# Altium PCB MB1605.PcbDoc (part 6 of 11)
Units mm, origin at the board's own origin, x right, y up, seen from the top; angles counter-clockwise.
Board outline 100 x 79.6 mm, 6 copper layers (Top Layer, Signal Layer 1, Signal Layer 2, Signal Layer 3, Signal Layer 4, Bottom Layer), stack 1.549 mm thick; 644 components, 529 nets, 2853 pads, 1462 vias.
Unrouted connection lines stored in the file: 2.
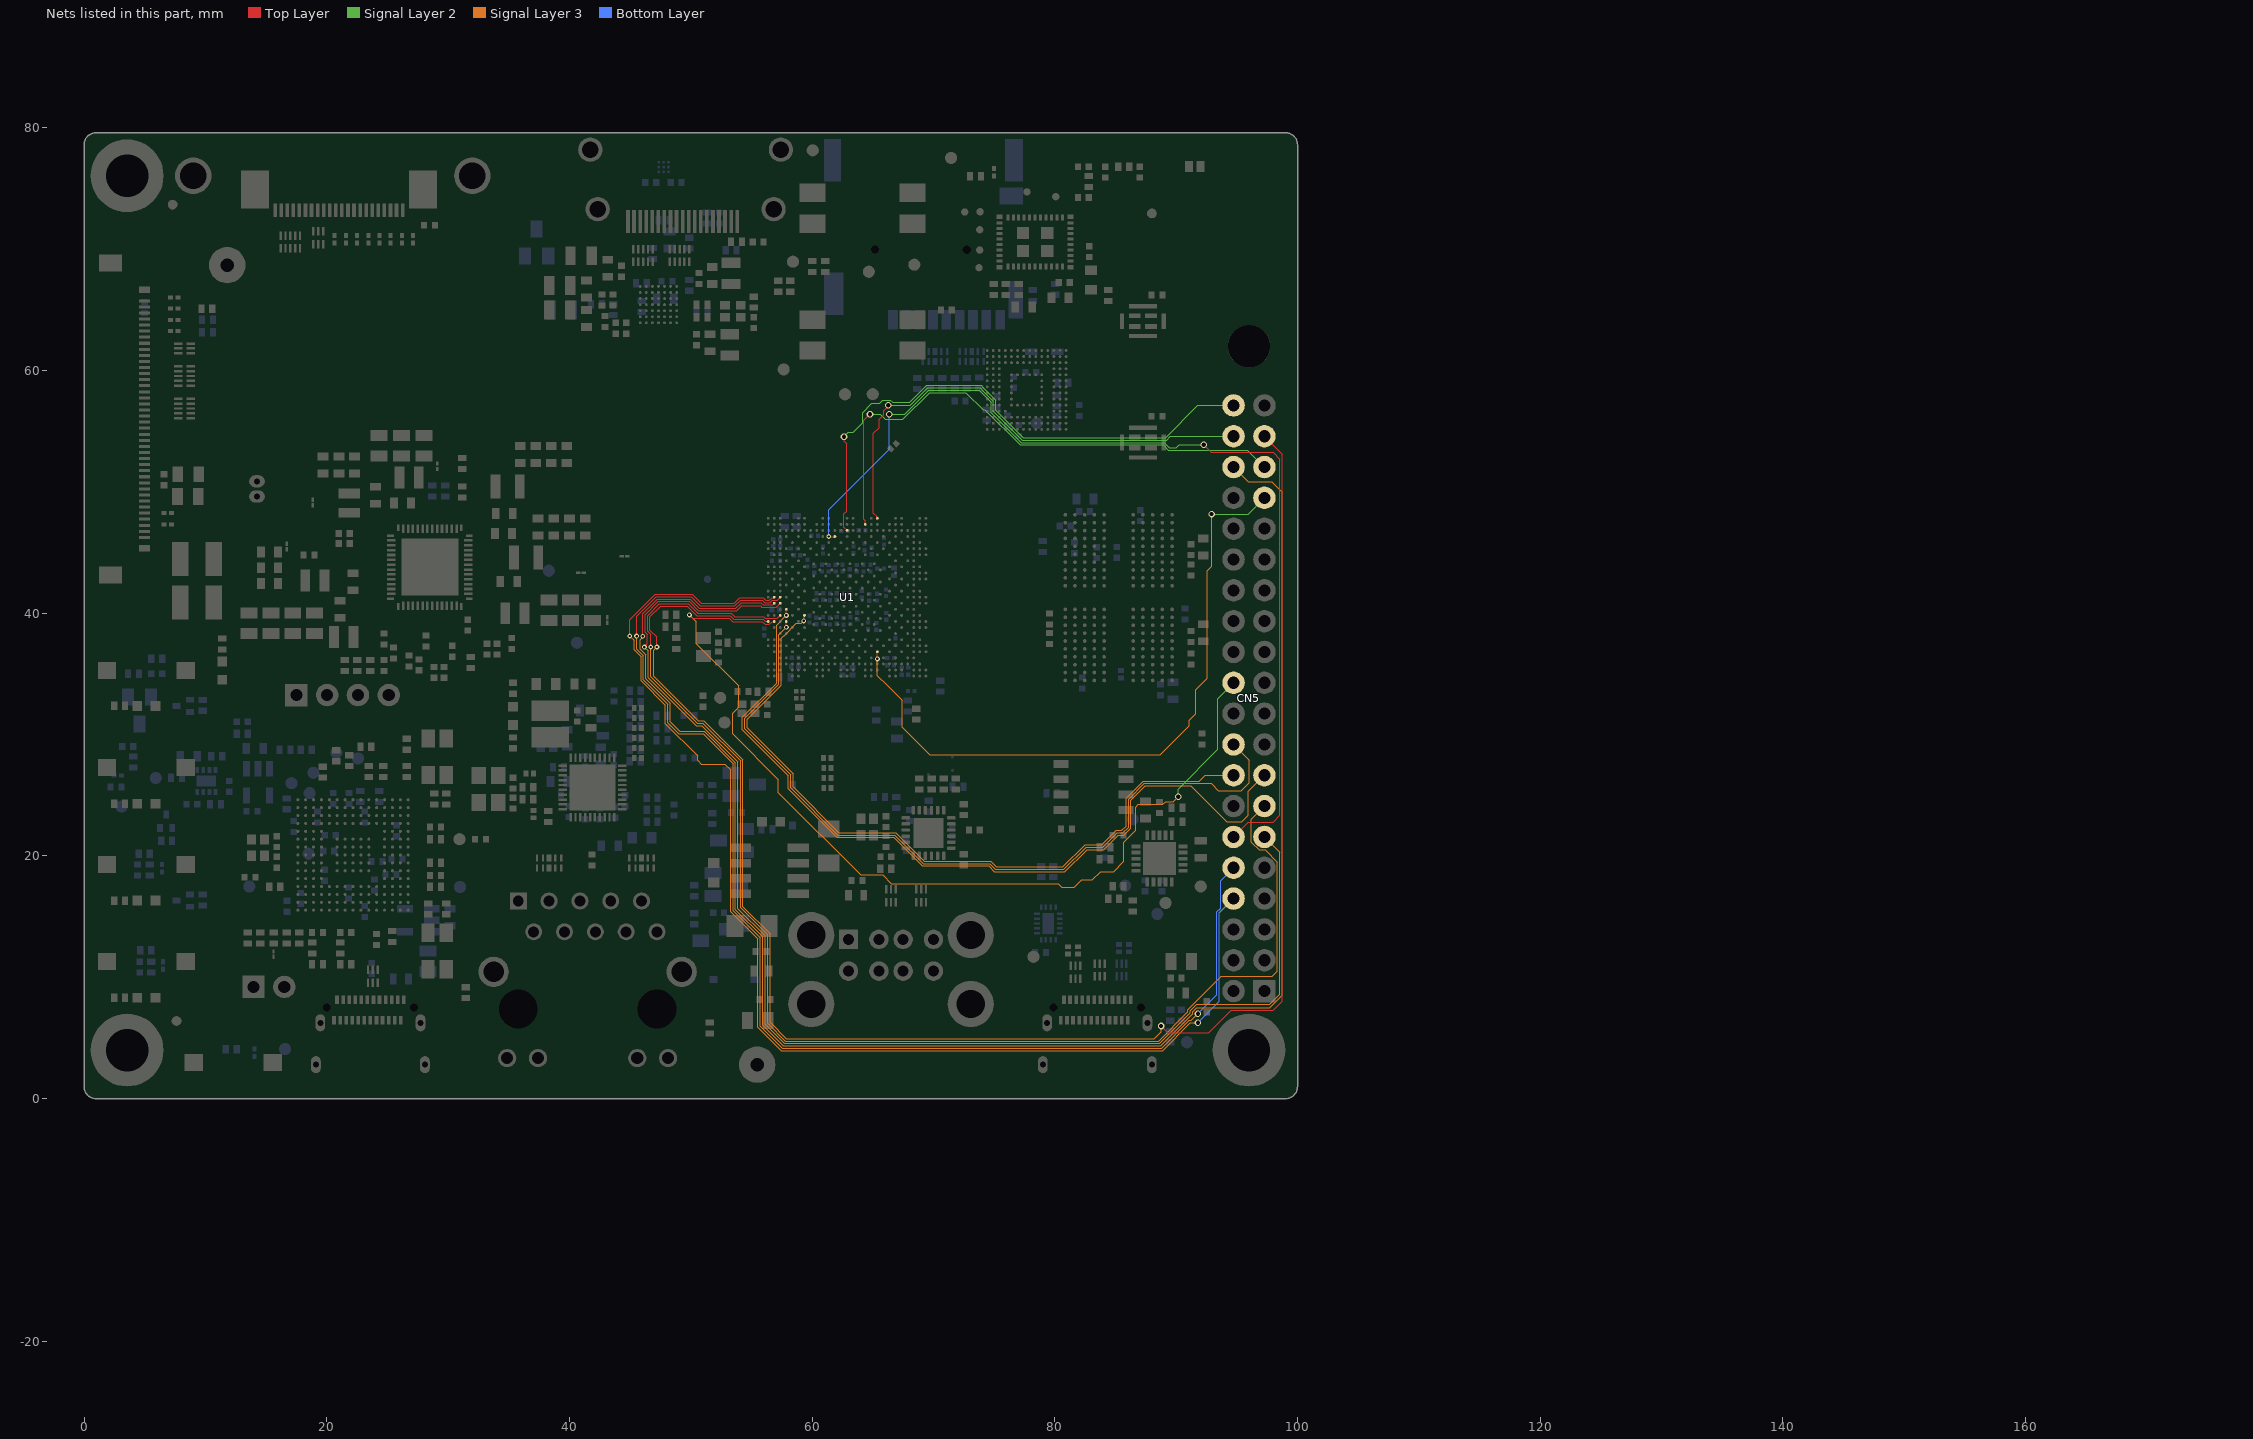
[diagram p10: the nets of this part, all layers, seen from the top]

## Via types
v1: diameter 0.55, hole 0.35, Top Layer to Bottom Layer, 823 vias
v2: diameter 0.4, hole 0.2, Top Layer to Bottom Layer, 235 vias
v3: diameter 0.4, hole 0.2, Top Layer to Bottom Layer, tented both sides, 216 vias
v4: diameter 0.5, hole 0.2, Top Layer to Bottom Layer, 159 vias
v5: diameter 0.25/0.3 (per signal layer), hole 0.1, Top Layer to Signal Layer 1, tented both sides, 29 vias

## Nets (pads, with @x,y where several pads share a name; then routed paths per layer and width w, separated by ;. In a path a pad name is that pad's centre, name@x,y a point inside that pad or via, vN(x,y) a via of type N, cw(c..) or ccw(c..) an arc to the next point about the centre after c; other vN are vias at no path point) (continued)
EXP_GPIO13: CN5.33 U1.AC19 | length 55.8
  Top Layer w0.1: U1.AC19@65.375,36.825 65.378,36.822 65.378,36.243 v3(65.381,36.24)
  Signal Layer 2 w0.1: v1(92.918,48.17) 95.93,48.17 CN5.33@97.27,49.51
  Signal Layer 3 w0.1: v3(65.381,36.24) 65.381,34.864 66.17,34.075 67.425,32.82 67.425,30.606 69.689,28.342 88.7,28.342 91.091,30.732 91.091,31.156 91.093,31.158 91.093,31.19 91.612,31.709 91.612,33.712 92.55,34.65 92.55,43.505 92.918,43.873 v1(92.918,48.17)
EXP_GPIO14: CN5.8 U1.P2 | length 102
  Top Layer w0.09: 56.195,41.075 56.479,41.075 56.702,41.298 56.848,41.298 U1.P2@56.875,41.325
  Top Layer w0.1: v2(44.975,38.125) 44.975,39.464 47.084,41.573 50.112,41.573 50.866,40.82 53.566,40.82 54.04,41.294 55.977,41.294 56.195,41.075
  Signal Layer 3 w0.1: v2(44.975,38.125) 45.332,37.768 45.332,36.976 45.898,36.41 45.898,34.439 47.915,32.423 47.915,30.909 50.554,28.269 50.554,27.888 50.87,27.573 52.793,27.573 53.279,27.086 53.279,15.414 55.531,13.163 55.531,5.865 57.446,3.95 88.874,3.95 91.174,6.25 v1(91.787,6.25)
  Bottom Layer w0.1: v1(91.787,6.25) 93.55,8.013 93.55,15.303 93.854,15.608 93.854,15.614 CN5.8@94.73,16.49
EXP_GPIO15: CN5.10 U1.P3 | length 103.7
  Top Layer w0.09: 55.625,41.075 55.897,41.075 56.087,40.885 56.543,40.885 56.733,41.075 57.125,41.075 U1.P3@57.375,41.325
  Top Layer w0.1: v2(45.541,38.118) 45.541,39.747 47.167,41.373 50.03,41.373 50.8,40.603 53.632,40.603 54.104,41.075 55.625,41.075
  Signal Layer 3 w0.1: v2(45.541,38.118) 45.541,37.05 46.098,36.493 46.098,34.522 48.115,32.505 48.115,30.992 49.021,30.085 51.01,30.085 53.479,27.616 53.479,15.497 55.731,13.246 55.731,5.948 57.529,4.15 88.791,4.15 91.091,6.45 91.25,6.45 v1(91.787,6.987)
  Bottom Layer w0.1: v1(91.787,6.987) 93.35,8.55 93.35,15.386 93.654,15.69 93.654,17.954 CN5.10@94.73,19.03
EXP_GPIO16: CN5.36 U1.R2 | length 143
  Top Layer w0.09: 56.166,40.7 56.747,40.7 56.872,40.825 U1.R2@56.875,40.825
  Top Layer w0.1: v2(46.042,38.109) 46.036,38.115 46.036,39.96 47.25,41.173 49.947,41.173 50.718,40.403 53.715,40.403 54.187,40.875 55.782,40.875 55.957,40.7 56.166,40.7
  Signal Layer 3 w0.1: v2(46.042,38.109) 46.042,38.044 45.827,37.829 45.827,37.046 46.298,36.575 46.298,34.605 48.315,32.588 48.315,31.075 49.104,30.285 51.093,30.285 53.679,27.698 53.679,15.58 55.931,13.329 55.931,6.031 57.612,4.35 88.708,4.35 91.362,7.004 91.362,7.164 91.699,7.5 97.703,7.5 98.745,8.542 98.745,49.967 97.887,50.825 95.955,50.825 CN5.36@94.73,52.05
EXP_GPIO17: CN5.11 U1.R3 | length 108.9
  Top Layer w0.09: 56.655,40.505 57.055,40.505 U1.R3@57.375,40.825
  Top Layer w0.1: v2(46.177,37.215) 46.177,37.263 46.401,37.486 46.401,38.287 46.236,38.452 46.236,39.877 47.333,40.973 49.864,40.973 50.635,40.203 53.798,40.203 54.215,40.62 55.746,40.62 55.861,40.505 56.655,40.505
  Signal Layer 3 w0.1: v2(46.177,37.215) 46.498,36.894 46.498,34.688 50.189,30.997 50.445,30.74 50.92,30.74 53.879,27.781 53.879,15.663 56.131,13.411 56.131,6.114 57.695,4.55 88.625,4.55 91.162,7.087 91.162,7.246 91.711,7.795 97.715,7.795 98.545,8.625 98.545,20.295 CN5.11@97.27,21.57
EXP_GPIO18: CN5.12 U1.D12 | length 82.6
  Top Layer w0.1: v3(61.375,46.325) U1.D12@61.875,46.325 ; v1(92.264,53.886) 92.874,53.276 97.985,53.276 98.55,52.711 98.55,23.343 97.986,22.778 95.939,22.778 CN5.12@94.73,21.57
  Signal Layer 2 w0.1: v1(66.362,56.397) 67.618,56.397 69.595,58.374 73.752,58.374 74.056,58.07 74.74,57.386 74.74,56.543 76.578,54.705 77.213,54.07 89.003,54.07 89.428,53.645 90.025,53.645 90.266,53.886 v1(92.264,53.886)
  Bottom Layer w0.1: v3(61.375,46.325) 61.375,48.53 66.362,53.518 v1(66.362,56.397)
EXP_GPIO19: CN5.35 U1.B17 | length 45.5
  Top Layer w0.1: U1.B17@64.375,47.325 64.375,47.638 64.251,47.763 64.251,55.893 v1(64.762,56.404)
  Signal Layer 2 w0.1: v1(64.762,56.404) 65.6,56.404 66.032,55.972 67.476,55.972 69.678,58.174 72.675,58.174 74.094,56.755 74.245,56.755 77.133,53.867 88.923,53.867 89.345,53.445 95.875,53.445 CN5.35@97.27,52.05
EXP_GPIO20: CN5.38 U1.A19 | length 41.4
  Top Layer w0.09: 65.051,48.575 65.051,48.257 65.305,48.003 65.305,47.933 65.375,47.863 U1.A19@65.375,47.825
  Top Layer w0.1: 65.051,48.575 65.051,54.817 65.525,55.291 65.525,55.975 65.915,56.365 65.915,56.697 66.28,57.062 v1(66.28,57.145)
  Signal Layer 2 w0.1: v1(66.28,57.145) 68.083,57.145 69.512,58.574 73.835,58.574 74.056,58.353 74.93,57.479 74.93,56.636 76.861,54.705 77.295,54.27 89.203,54.27 89.523,54.59 CN5.38@94.73,54.59
EXP_GPIO21: CN5.40 U1.C14 | length 45.9
  Top Layer w0.09: 62.85,48.575 62.85,48.421 62.625,48.196 62.625,47.075 U1.C14@62.875,46.825
  Top Layer w0.1: v1(62.625,54.55) 62.649,54.526 62.649,54.184 62.85,53.983 62.85,48.575
  Signal Layer 2 w0.1: v1(62.625,54.55) 62.996,54.921 63.379,54.921 64.161,55.703 64.161,56.543 64.929,57.311 65.327,57.311 65.334,57.318 65.57,57.318 65.822,57.57 66.456,57.57 66.64,57.386 68.041,57.386 69.429,58.774 73.918,58.774 74.056,58.636 75.12,57.572 75.12,56.728 77.143,54.705 77.378,54.47 89.12,54.47 91.78,57.13 CN5.40@94.73,57.13
EXP_GPIO22: CN5.15 U1.T4 | length 68.2
  Top Layer w0.09: v3(57.875,39.825) U1.T4@57.875,40.325
  Signal Layer 3 w0.1: v3(57.875,39.825) 57.075,39.025 57.075,34.245 54.259,31.429 54.259,30.387 58.026,26.62 58.026,25.55 62.048,21.527 66.735,21.527 69.083,19.179 74.547,19.179 75.022,18.705 80.834,18.705 82.658,20.529 84.036,20.529 85.221,21.714 85.687,21.714 86.271,22.298 86.271,24.587 87.459,25.775 91.199,25.775 94.164,22.81 95.404,22.81 95.95,23.356 95.95,25.33 CN5.15@97.27,26.65
EXP_GPIO23: CN5.16 U1.U7 | length 61.3
  Top Layer w0.1: v3@59.3,39.367 59.316,39.465 U1.U7@59.375,39.825
  Signal Layer 3 w0.1: v3@59.3,39.367 59.095,39.162 58.701,39.162 57.689,38.15 57.68,38.15 57.465,37.935 57.465,34.058 54.659,31.252 54.659,30.552 58.426,26.786 58.426,25.715 62.214,21.927 66.901,21.927 69.249,19.579 74.713,19.579 75.187,19.105 80.668,19.105 82.492,20.929 83.87,20.929 85.055,22.114 85.522,22.114 85.871,22.464 85.871,24.752 87.293,26.175 91.906,26.175 92.381,26.65 CN5.16@94.73,26.65
  other v3: 59.305,39.367
EXP_GPIO24: CN5.18 U1.V4 | length 65.7
  Top Layer w0.09: v3(57.875,38.85) U1.V4@57.875,39.325
  Signal Layer 3 w0.1: v3(57.875,38.85) 57.265,38.24 57.265,34.152 54.459,31.346 54.459,30.47 58.226,26.703 58.226,25.633 62.131,21.727 66.818,21.727 69.166,19.379 74.63,19.379 75.104,18.905 80.751,18.905 82.575,20.729 83.953,20.729 85.138,21.914 85.604,21.914 86.071,22.381 86.071,24.67 87.376,25.975 92.891,25.975 93.478,25.388 95.363,25.388 96.013,26.037 96.013,27.908 CN5.18@94.73,29.19
EXP_GPIO25: CN5.22 U1.V2 | length 78.1
  Top Layer w0.09: 55.625,39.294 55.905,39.294 56.123,39.075 56.479,39.075 56.715,39.311 56.861,39.311 U1.V2@56.875,39.325
  Top Layer w0.1: v2(49.889,39.866) 50.162,39.594 53.164,39.594 53.464,39.294 55.625,39.294
  Signal Layer 2 w0.1: v1(90.163,24.887) 90.163,25.506 93.435,28.778 93.435,32.975 CN5.22@94.73,34.27
  Signal Layer 3 w0.1: v2(49.889,39.866) 50.464,39.292 50.464,37.499 53.947,34.015 53.947,32.248 53.459,31.76 53.459,30.055 57.226,26.289 57.226,25.218 63.996,18.448 65.802,18.448 66.521,17.729 80.283,17.729 80.572,17.44 81.619,17.44 82.202,18.023 83.102,18.023 83.793,18.714 84.835,18.714 85.668,19.546 85.668,21.129 86.671,22.132 86.671,24.024 86.891,24.244 88.901,24.244 89.137,24.481 89.756,24.481 v1(90.163,24.887)
EXP_GPIO26: CN5.37 U1.V1 | length 140.6
  Top Layer w0.09: 55.625,39.494 55.959,39.494 56.128,39.325 U1.V1@56.375,39.325
  Top Layer w0.1: v2(47.204,37.221) 47.204,38.049 46.636,38.617 46.636,39.705 47.505,40.573 49.698,40.573 50.478,39.794 53.247,39.794 53.546,39.494 55.625,39.494 ; v1(88.759,5.983) v1(88.759,5.983) 89.299,5.44 92.694,5.44 94.524,7.27 97.995,7.27 98.75,8.025 98.75,53.11 CN5.37@97.27,54.59
  Signal Layer 3 w0.1: v2(47.204,37.221) 46.94,36.958 46.94,34.811 50.611,31.14 51.086,31.14 54.3,27.926 54.3,15.808 56.531,13.577 56.531,6.28 57.86,4.95 88.193,4.95 88.759,5.516 v1(88.759,5.983)
EXP_GPIO27: CN5.13 U1.U3 | length 110.3
  Top Layer w0.09: 56.264,39.575 56.271,39.575 57.125,39.575 U1.U3@57.375,39.825
  Top Layer w0.1: v2(46.698,37.221) 46.698,38.272 46.436,38.535 46.436,39.794 47.415,40.773 49.781,40.773 50.561,39.994 53.329,39.994 53.629,39.694 56.021,39.694 56.139,39.575 56.264,39.575
  Signal Layer 3 w0.1: v2(46.698,37.221) 46.698,34.77 47.075,34.394 50.528,30.94 51.003,30.94 54.1,27.844 54.1,15.725 56.331,13.494 56.331,6.197 57.777,4.75 88.543,4.75 90.963,7.17 90.963,7.329 93.707,10.073 97.933,10.073 98.345,10.485 98.345,19.475 97.325,20.495 96.825,20.495 96.195,21.125 96.195,23.035 CN5.13@97.27,24.11